# Altium PCB BSPD_mod_0513.PcbDoc (continued)
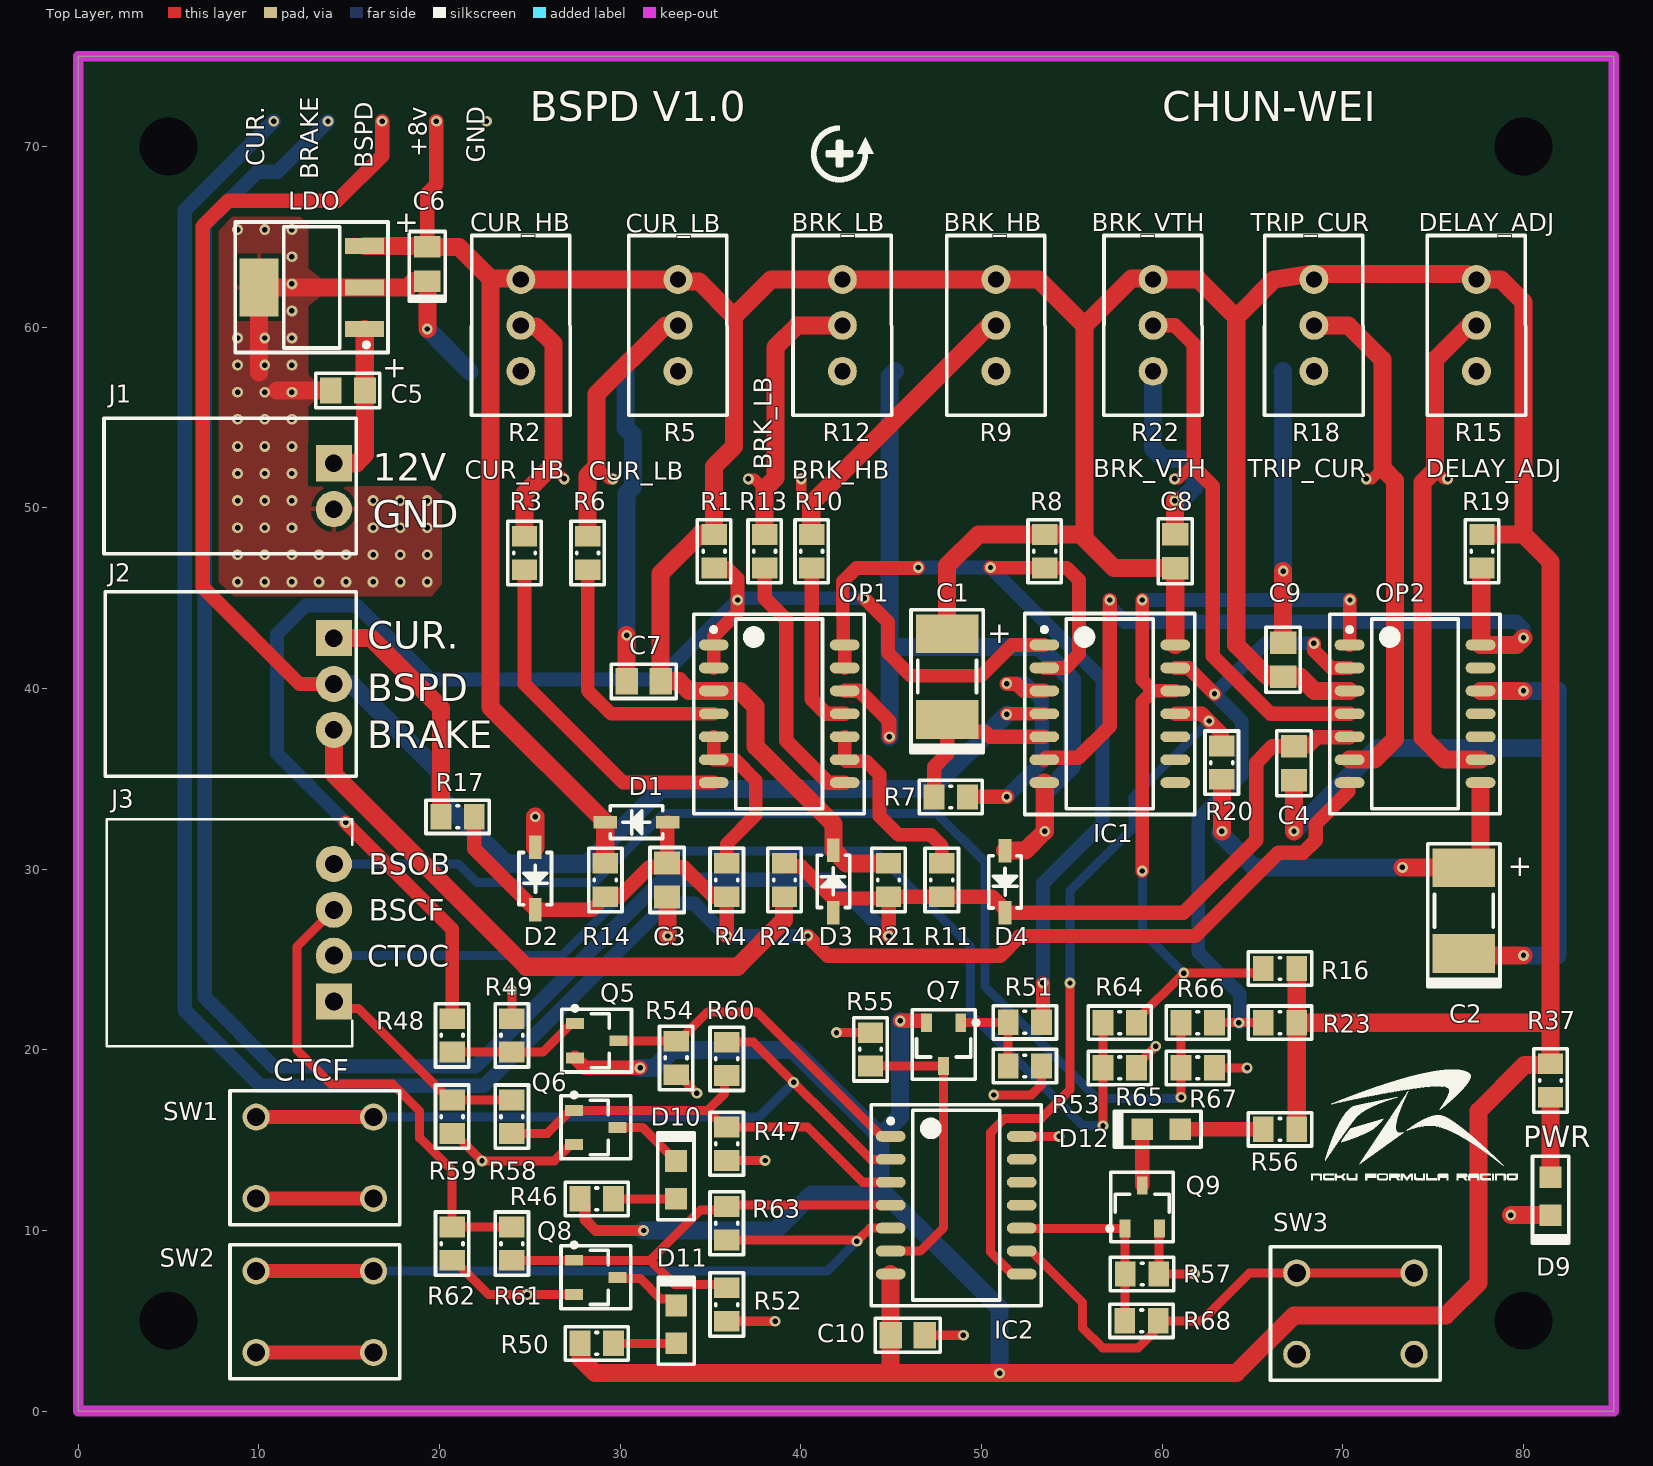
[diagram p0: Top Layer view]
## Part data (continued)
C2: library part 0.1uF-C0603X104K5RAC3316, "Cap Ceramic 0.1uF 50V X7R 10% Pad SMD 0603 Flexible Termination 125C Automotive", Case/Package=Molded, Case Code (Imperial)=2312, Case Code (Metric)=6032, Dielectric Material=Tantalum, ESR (Equivalent Series Resistance)=1R, Leakage Current=3.4uA, Manufacturer=AVX, Manufacturer Part Number=TAJC685K050RNJ, Max Operating Temperature=125°C, Min Operating Temperature=-55°C, Package Quantity=1, Supplier Part Number 1=581-TAJC685K050RNJ, Tolerance=10%, Voltage Rating=50V, Capacitance=6.8uF, ComponentLink1Description=https://datasheet.ciiva.com/267/taj-267945.pdf?src-supplier=Digi-Key, ComponentLink1URL=https://datasheet.ciiva.com/267/taj-267945.pdf?src-supplier=Digi-Key, ComponentLink2Description=https://datasheet.ciiva.com/267/taj-267946.pdf?src-supplier=Digi-Key, ComponentLink2URL=https://datasheet.ciiva.com/267/taj-267946.pdf?src-supplier=Digi-Key, ComponentLink3Description=https://datasheet.ciiva.com/267/taj-267947.pdf?src-supplier=Digi-Key, ComponentLink3URL=https://datasheet.ciiva.com/267/taj-267947.pdf?src-supplier=Digi-Key, ComponentLink4Description=https://datasheet.ciiva.com/12910/taj-27497-12910591.pdf?src-supplier=Mouser, ComponentLink4URL=https://datasheet.ciiva.com/12910/taj-27497-12910591.pdf?src-supplier=Mouser, ComponentLink5Description=https://datasheet.ciiva.com/17338/taj-17338791.pdf?src-supplier=Avnet+Europe, ComponentLink5URL=https://datasheet.ciiva.com/17338/taj-17338791.pdf?src-supplier=Avnet+Europe, ComponentLink6Description=http://datasheet.octopart.com/TAJC685K050RNJ-AVX-datasheet-50868559.pdf?src-supplier=AVX, ComponentLink6URL=http://datasheet.octopart.com/TAJC685K050RNJ-AVX-datasheet-50868559.pdf?src-supplier=AVX, ComponentLink7Description=http://datasheet.octopart.com/TAJC685K050RNJ-AVX-datasheet-5313859.pdf?src-supplier=Element14, ComponentLink7URL=http://datasheet.octopart.com/TAJC685K050RNJ-AVX-datasheet-5313859.pdf?src-supplier=Element14, ComponentLink8Description=http://datasheet.octopart.com/TAJC685K050RNJ-AVX-datasheet-78694144.pdf?src-supplier=Element14, ComponentLink8URL=http://datasheet.octopart.com/TAJC685K050RNJ-AVX-datasheet-78694144.pdf?src-supplier=Element14, ComponentLink9Description=http://datasheet.octopart.com/TAJC685K050RNJ-AVX-Interconnect---Elco-datasheet-8359467.pdf, ComponentLink9URL=http://datasheet.octopart.com/TAJC685K050RNJ-AVX-Interconnect---Elco-datasheet-8359467.pdf, ComponentLink10Description=http://datasheet.octopart.com/TAJC685K050RNJ-AVX-Interconnect---Elco-datasheet-8398506.pdf, ComponentLink10URL=http://datasheet.octopart.com/TAJC685K050RNJ-AVX-Interconnect---Elco-datasheet-8398506.pdf, ComponentLink11Description=http://datasheet.octopart.com/TAJC685K050RNJ-AVX-Interconnect---Elco-datasheet-12511273.pdf, ComponentLink11URL=http://datasheet.octopart.com/TAJC685K050RNJ-AVX-Interconnect---Elco-datasheet-12511273.pdf, ComponentLink12Description=http://datasheet.octopart.com/TAJC685K050RNJ-AVX-Interconnect---Elco-datasheet-5308206.pdf?src-supplier=Factory+Futures, ComponentLink12URL=http://datasheet.octopart.com/TAJC685K050RNJ-AVX-Interconnect---Elco-datasheet-5308206.pdf?src-supplier=Factory+Futures, ComponentLink13Description=http://datasheet.octopart.com/TAJC685K050RNJ-AVX-Interconnect---Elco-datasheet-5393561.pdf?src-supplier=Factory+Futures, ComponentLink13URL=http://datasheet.octopart.com/TAJC685K050RNJ-AVX-Interconnect---Elco-datasheet-5393561.pdf?src-supplier=Factory+Futures, ComponentLink14Description=http://datasheet.octopart.com/TAJC685K050RNJ-AVX-Interconnect---Elco-datasheet-5428838.pdf?src-supplier=Factory+Futures, ComponentLink14URL=http://datasheet.octopart.com/TAJC685K050RNJ-AVX-Interconnect---Elco-datasheet-5428838.pdf?src-supplier=Factory+Futures, ComponentLink15Description=http://datasheet.octopart.com/TAJC685K050RNJ-AVX-Interconnect---Elco-datasheet-8324253.pdf?src-supplier=Factory+Futures, ComponentLink15URL=http://datasheet.octopart.com/TAJC685K050RNJ-AVX-Interconnect---Elco-datasheet-8324253.pdf?src-supplier=Factory+Futures, ComponentLink16Description=http://datasheet.octopart.com/TAJC685K050RNJ-AVX-Interconnect---Elco-datasheet-8447299.pdf?src-supplier=Factory+Futures, ComponentLink16URL=http://datasheet.octopart.com/TAJC685K050RNJ-AVX-Interconnect---Elco-datasheet-8447299.pdf?src-supplier=Factory+Futures, ComponentLink17Description=http://datasheet.octopart.com/TAJC685K050RNJ-AVX-Interconnect---Elco-datasheet-8621976.pdf?src-supplier=Factory+Futures, ComponentLink17URL=http://datasheet.octopart.com/TAJC685K050RNJ-AVX-Interconnect---Elco-datasheet-8621976.pdf?src-supplier=Factory+Futures, ComponentLink18Description=http://datasheet.octopart.com/TAJC685K050RNJ-AVX-Interconnect---Elco-datasheet-8701730.pdf?src-supplier=Factory+Futures, ComponentLink18URL=http://datasheet.octopart.com/TAJC685K050RNJ-AVX-Interconnect---Elco-datasheet-8701730.pdf?src-supplier=Factory+Futures, ComponentLink19Description=http://datasheet.octopart.com/TAJC685K050RNJ-AVX-Interconnect---Elco-datasheet-8715220.pdf?src-supplier=Factory+Futures, ComponentLink19URL=http://datasheet.octopart.com/TAJC685K050RNJ-AVX-Interconnect---Elco-datasheet-8715220.pdf?src-supplier=Factory+Futures, ComponentLink20Description=http://datasheet.octopart.com/TAJC685K050RNJ-AVX-Interconnect---Elco-datasheet-8836325.pdf?src-supplier=Factory+Futures, ComponentLink20URL=http://datasheet.octopart.com/TAJC685K050RNJ-AVX-Interconnect---Elco-datasheet-8836325.pdf?src-supplier=Factory+Futures, ComponentLink21Description=http://datasheet.octopart.com/TAJC685K050RNJ-AVX-Interconnect---Elco-datasheet-8853265.pdf?src-supplier=Factory+Futures, ComponentLink21URL=http://datasheet.octopart.com/TAJC685K050RNJ-AVX-Interconnect---Elco-datasheet-8853265.pdf?src-supplier=Factory+Futures, ComponentLink22Description=http://datasheet.octopart.com/TAJC685K050RNJ-AVX-Interconnect---Elco-datasheet-8858887.pdf?src-supplier=Factory+Futures, ComponentLink22URL=http://datasheet.octopart.com/TAJC685K050RNJ-AVX-Interconnect---Elco-datasheet-8858887.pdf?src-supplier=Factory+Futures, ComponentLink23Description=http://datasheet.octopart.com/TAJC685K050RNJ-AVX-Interconnect---Elco-datasheet-8877386.pdf?src-supplier=Factory+Futures, ComponentLink23URL=http://datasheet.octopart.com/TAJC685K050RNJ-AVX-Interconnect---Elco-datasheet-8877386.pdf?src-supplier=Factory+Futures, ComponentLink24Description=http://datasheet.octopart.com/TAJC685K050RNJ-AVX-Interconnect---Elco-datasheet-10028080.pdf?src-supplier=Factory+Futures, ComponentLink24URL=http://datasheet.octopart.com/TAJC685K050RNJ-AVX-Interconnect---Elco-datasheet-10028080.pdf?src-supplier=Factory+Futures, ComponentLink25Description=http://datasheet.octopart.com/TAJC685K050RNJ-AVX-Interconnect---Elco-datasheet-10193294.pdf?src-supplier=Factory+Futures, ComponentLink25URL=http://datasheet.octopart.com/TAJC685K050RNJ-AVX-Interconnect---Elco-datasheet-10193294.pdf?src-supplier=Factory+Futures, ComponentLink26Description=http://datasheet.octopart.com/TAJC685K050RNJ-AVX-Interconnect---Elco-datasheet-10285639.pdf?src-supplier=Factory+Futures, ComponentLink26URL=http://datasheet.octopart.com/TAJC685K050RNJ-AVX-Interconnect---Elco-datasheet-10285639.pdf?src-supplier=Factory+Futures, ComponentLink27Description=http://datasheet.octopart.com/TAJC685K050RNJ-AVX-Interconnect---Elco-datasheet-10380087.pdf?src-supplier=Factory+Futures, ComponentLink27URL=http://datasheet.octopart.com/TAJC685K050RNJ-AVX-Interconnect---Elco-datasheet-10380087.pdf?src-supplier=Factory+Futures, ComponentLink28Description=http://datasheet.octopart.com/TAJC685K050RNJ-AVX-Interconnect---Elco-datasheet-10403705.pdf?src-supplier=Factory+Futures, ComponentLink28URL=http://datasheet.octopart.com/TAJC685K050RNJ-AVX-Interconnect---Elco-datasheet-10403705.pdf?src-supplier=Factory+Futures, ComponentLink29Description=http://datasheet.octopart.com/TAJC685K050RNJ-AVX-Interconnect---Elco-datasheet-10545425.pdf?src-supplier=Factory+Futures, ComponentLink29URL=http://datasheet.octopart.com/TAJC685K050RNJ-AVX-Interconnect---Elco-datasheet-10545425.pdf?src-supplier=Factory+Futures, ComponentLink30Description=http://datasheet.octopart.com/TAJC685K050RNJ-AVX-Interconnect---Elco-datasheet-10620092.pdf?src-supplier=Factory+Futures, ComponentLink30URL=http://datasheet.octopart.com/TAJC685K050RNJ-AVX-Interconnect---Elco-datasheet-10620092.pdf?src-supplier=Factory+Futures, ComponentLink31Description=http://datasheet.octopart.com/TAJC685K050RNJ-AVX-Interconnect---Elco-datasheet-10839255.pdf?src-supplier=Factory+Futures, ComponentLink31URL=http://datasheet.octopart.com/TAJC685K050RNJ-AVX-Interconnect---Elco-datasheet-10839255.pdf?src-supplier=Factory+Futures, ComponentLink32Description=http://datasheet.octopart.com/TAJC685K050RNJ-AVX-Interconnect---Elco-datasheet-10851837.pdf?src-supplier=Factory+Futures, ComponentLink32URL=http://datasheet.octopart.com/TAJC685K050RNJ-AVX-Interconnect---Elco-datasheet-10851837.pdf?src-supplier=Factory+Futures, ComponentLink33Description=http://datasheet.octopart.com/TAJC685K050RNJ-AVX-Interconnect---Elco-datasheet-10916590.pdf?src-supplier=Factory+Futures, ComponentLink33URL=http://datasheet.octopart.com/TAJC685K050RNJ-AVX-Interconnect---Elco-datasheet-10916590.pdf?src-supplier=Factory+Futures, ComponentLink34Description=http://datasheet.octopart.com/TAJC685K050RNJ-AVX-Interconnect---Elco-datasheet-11475269.pdf?src-supplier=Factory+Futures, ComponentLink34URL=http://datasheet.octopart.com/TAJC685K050RNJ-AVX-Interconnect---Elco-datasheet-11475269.pdf?src-supplier=Factory+Futures, ComponentLink35Description=http://datasheet.octopart.com/TAJC685K050RNJ-AVX-datasheet-48507738.pdf?src-supplier=Future+Electronics, ComponentLink35URL=http://datasheet.octopart.com/TAJC685K050RNJ-AVX-datasheet-48507738.pdf?src-supplier=Future+Electronics, ComponentLink36Description=http://datasheet.octopart.com/TAJC685K050RNJ-AVX-datasheet-66442782.pdf?src-supplier=Newark, ComponentLink36URL=http://datasheet.octopart.com/TAJC685K050RNJ-AVX-datasheet-66442782.pdf?src-supplier=Newark, ComponentLink37Description=http://datasheet.octopart.com/TAJC685K050RNJ-AVX-datasheet-62304617.pdf?src-supplier=Farnell, ComponentLink37URL=http://datasheet.octopart.com/TAJC685K050RNJ-AVX-datasheet-62304617.pdf?src-supplier=Farnell, ComponentLink38Description=http://datasheet.octopart.com/TAJ-Series---Standard-Tantalum-AVX-datasheet-family-88.pdf, ComponentLink38URL=http://datasheet.octopart.com/TAJ-Series---Standard-Tantalum-AVX-datasheet-family-88.pdf, Depth=3.2mm, Dissipation Factor=6%, Features="General Purpose", Height=2.8mm, Height - Seated (Max)=0.11inch, Lead Free="Lead Free", Length=6mm, Mount="Surface Mount", Packaging="Tape and Reel", Polarity=Polar, Pricing 1="1 = 1.27000, 10 = 0.96300, 100 = 0.75300, 500 = 0.49500, 1000 = 0.43600, 2500 = 0.42200 (USD)", Radiation Hardening=No, REACH SVHC="No SVHC", Stock 1=13768, Supplier 1=Mouser, Termination=SMD/SMT, Voltage Rating (DC)=50V, Weight=0.005291oz, Width=0.126inch
C3 C4 C7 C9 C10: library part 0.1uF-C0603X104K5RAC3316, "Cap Ceramic 0.1uF 50V X7R 10% Pad SMD 0603 Flexible Termination 125C Automotive", Manufacturer=KEMET, Manufacturer Part Number=C0603X104K5RAC3316, Supplier Part Number 1=80-C0603X104K5R3316, ComponentLink1Description=http://datasheet.octopart.com/C0603X104K5RAC3316-KEMET-datasheet-136663908.pdf?src-supplier=Allied+Electronics, ComponentLink1URL=http://datasheet.octopart.com/C0603X104K5RAC3316-KEMET-datasheet-136663908.pdf?src-supplier=Allied+Electronics, Pricing 1="1 = 0.19000, 10 = 0.12700, 100 = 0.06400, 500 = 0.04400, 1000 = 0.03800, 4000 = 0.03700 (USD)", Stock 1=9731, Supplier 1=Mouser
C5: library part 0.47uF-C0805C474K3REC7210, "Cap Cer 0805 470NF 25V X7R 10%", Manufacturer=KEMET, Manufacturer Part Number=C0805C474K3REC7210, Supplier Part Number 1=80-C0805C474K3RECLR, ComponentLink1Description=https://api.kemet.com/component-edge/download/datasheet/C0805C474K3REC7210.pdf?src-supplier=Digi-Key, ComponentLink1URL=https://api.kemet.com/component-edge/download/datasheet/C0805C474K3REC7210.pdf?src-supplier=Digi-Key, Pricing 1="1 = 0.30000, 10 = 0.14000, 100 = 0.09000, 500 = 0.08000, 1000 = 0.07000, 2000 = 0.06000 (USD)", Stock 1=9935, Supplier 1=Mouser
C6: library part 22uF-GRM21BR61E226ME44L, "0805 22 uF 25 V ±20% Tolerance X5R SMT Multilayer Ceramic Capacitor", Case/Package=0805, Case Code (Metric)=2012, Dielectric=X5R, Manufacturer=Murata, Manufacturer Part Number=GRM21BR61E226ME44L, Max Operating Temperature=85°C, Min Operating Temperature=-55°C, Package Quantity=3000, Supplier Part Number 1=81-GRM21BR61E226ME4L, Tolerance=20%, Voltage=25V, Capacitance=22uF, Case Code (Imperial)=0805, ComponentLink1Description=https://datasheet.ciiva.com/22787/1747471-22787265.pdf?src-supplier=Farnell, ComponentLink1URL=https://datasheet.ciiva.com/22787/1747471-22787265.pdf?src-supplier=Farnell, ComponentLink2Description=https://datasheet.ciiva.com/7719/1747471-7719095.pdf?src-supplier=Element14, ComponentLink2URL=https://datasheet.ciiva.com/7719/1747471-7719095.pdf?src-supplier=Element14, ComponentLink3Description=https://datasheet.ciiva.com/28584/1747471-28584199.pdf?src-supplier=Element14, ComponentLink3URL=https://datasheet.ciiva.com/28584/1747471-28584199.pdf?src-supplier=Element14, ComponentLink4Description=http://datasheet.octopart.com/GRM21BR61E226ME44L-Murata-datasheet-62317286.pdf?src-supplier=Element14, ComponentLink4URL=http://datasheet.octopart.com/GRM21BR61E226ME44L-Murata-datasheet-62317286.pdf?src-supplier=Element14, ComponentLink5Description=http://datasheet.octopart.com/GRM21BR61E226ME44L-Murata-datasheet-8817987.pdf?src-supplier=Newark, ComponentLink5URL=http://datasheet.octopart.com/GRM21BR61E226ME44L-Murata-datasheet-8817987.pdf?src-supplier=Newark, ComponentLink6Description=http://datasheet.octopart.com/GRM21BR61E226ME44L-Murata-datasheet-14397511.pdf?src-supplier=Future+Electronics, ComponentLink6URL=http://datasheet.octopart.com/GRM21BR61E226ME44L-Murata-datasheet-14397511.pdf?src-supplier=Future+Electronics, ComponentLink7Description=http://datasheet.octopart.com/GRM21BR61E226ME44L-Murata-datasheet-17853151.pdf?src-supplier=Element14, ComponentLink7URL=http://datasheet.octopart.com/GRM21BR61E226ME44L-Murata-datasheet-17853151.pdf?src-supplier=Element14, ComponentLink8Description=http://datasheet.octopart.com/GRM21BR61E226ME44L-Murata-datasheet-22122223.pdf?src-supplier=Future+Electronics, ComponentLink8URL=http://datasheet.octopart.com/GRM21BR61E226ME44L-Murata-datasheet-22122223.pdf?src-supplier=Future+Electronics, ComponentLink9Description=http://datasheet.octopart.com/GRM21BR61E226ME44L-Murata-datasheet-59876780.pdf?src-supplier=TME, ComponentLink9URL=http://datasheet.octopart.com/GRM21BR61E226ME44L-Murata-datasheet-59876780.pdf?src-supplier=TME, ComponentLink10Description=http://datasheet.octopart.com/GRM21BR61E226ME44L-Murata-datasheet-8819587.pdf, ComponentLink10URL=http://datasheet.octopart.com/GRM21BR61E226ME44L-Murata-datasheet-8819587.pdf, ComponentLink11Description=http://datasheet.octopart.com/GRM21BR61E226ME44L-Murata-datasheet-10025737.pdf, ComponentLink11URL=http://datasheet.octopart.com/GRM21BR61E226ME44L-Murata-datasheet-10025737.pdf, ComponentLink12Description=http://datasheet.octopart.com/GRM21BR61E226ME44L-Murata-datasheet-11978611.pdf, ComponentLink12URL=http://datasheet.octopart.com/GRM21BR61E226ME44L-Murata-datasheet-11978611.pdf, ComponentLink13Description=http://datasheet.octopart.com/GRM21BR61E226ME44L-Murata-datasheet-12510076.pdf, ComponentLink13URL=http://datasheet.octopart.com/GRM21BR61E226ME44L-Murata-datasheet-12510076.pdf, ComponentLink14Description=http://datasheet.octopart.com/GRM21BR61E226ME44L-Murata-datasheet-12515295.pdf, ComponentLink14URL=http://datasheet.octopart.com/GRM21BR61E226ME44L-Murata-datasheet-12515295.pdf, Composition=Ceramic, Depth=1.25mm, Height=1.25mm, Lead Free="Lead Free", Length=2mm, Material=Ceramic, Mount="Surface Mount", Packaging="Tape and Reel", Pricing 1="1 = 0.49000, 10 = 0.34800, 100 = 0.22900, 250 = 0.22900, 500 = 0.16900, 1000 = 0.14400, 3000 = 0.11800, 6000 = 0.11000, 9000 = 0.10600 (USD)", REACH SVHC="No SVHC", Stock 1=455135, Supplier 1=Mouser, Termination=SMD/SMT, Thickness=0.057inch, Voltage Rating=25V, Voltage Rating (DC)=25V, Weight=0.000335oz, Width=1.25mm
C8: library part "1206 470pF (471) 10% 50V", "?片?容", Manufacturer=KEMET, Manufacturer Part Number=C0603X104K5RAC3316, Supplier Part Number 1=80-C0603X104K5R3316, ComponentLink1Description=http://datasheet.octopart.com/C0603X104K5RAC3316-KEMET-datasheet-136663908.pdf?src-supplier=Allied+Electronics, ComponentLink1URL=http://datasheet.octopart.com/C0603X104K5RAC3316-KEMET-datasheet-136663908.pdf?src-supplier=Allied+Electronics, Pricing 1="1 = 0.19000, 10 = 0.12700, 100 = 0.06400, 500 = 0.04400, 1000 = 0.03800, 4000 = 0.03700 (USD)", Stock 1=9731, Supplier 1=Mouser
D1 D2 D3 D4: library part 1N4148W-TP, "1N4148W Series 100 V 150 mA 4 ns SMT High Speed Switching Diode - SOD-123", Average Rectified Current=150mA, Capacitance=4pF, Forward Voltage=1V, Manufacturer=MCC, Max Forward Surge Current (Ifsm)=1A, Max Operating Temperature=150°C, Max Repetitive Reverse Voltage (Vrrm)=100V, Max Reverse Leakage Current=5uA, Max Surge Current=2A, Min Operating Temperature=-65°C, Package Quantity=3000, Power Dissipation=400mW, Supplier Part Number 1=1N4148WTPMSCT-ND, ComponentLink1Description=https://datasheet.ciiva.com/1243/1684829-1243908.pdf?src-supplier=Newark, ComponentLink1URL=https://datasheet.ciiva.com/1243/1684829-1243908.pdf?src-supplier=Newark, ComponentLink2Description=https://datasheet.ciiva.com/16836/1n4148wsod123-16836277.pdf?src-supplier=Future+Electronics, ComponentLink2URL=https://datasheet.ciiva.com/16836/1n4148wsod123-16836277.pdf?src-supplier=Future+Electronics, ComponentLink3Description=https://datasheet.ciiva.com/4435/1n4148wsod123-48460-4435223.pdf?src-supplier=Mouser, ComponentLink3URL=https://datasheet.ciiva.com/4435/1n4148wsod123-48460-4435223.pdf?src-supplier=Mouser, ComponentLink4Description=https://datasheet.ciiva.com/14557/70055519-14557767.pdf?src-supplier=Allied+Electronics, ComponentLink4URL=https://datasheet.ciiva.com/14557/70055519-14557767.pdf?src-supplier=Allied+Electronics, ComponentLink5Description=https://datasheet.ciiva.com/911/1n4148wsod123-911676.pdf?src-supplier=Digi-Key, ComponentLink5URL=https://datasheet.ciiva.com/911/1n4148wsod123-911676.pdf?src-supplier=Digi-Key, ComponentLink6Description=https://datasheet.ciiva.com/7622/1684829-7622556.pdf?src-supplier=Element14, ComponentLink6URL=https://datasheet.ciiva.com/7622/1684829-7622556.pdf?src-supplier=Element14, ComponentLink7Description=https://datasheet.ciiva.com/911/1n4148wsod123-911677.pdf?src-supplier=Digi-Key, ComponentLink7URL=https://datasheet.ciiva.com/911/1n4148wsod123-911677.pdf?src-supplier=Digi-Key, ComponentLink8Description=https://datasheet.ciiva.com/911/1n4148wsod123-911678.pdf?src-supplier=Digi-Key, ComponentLink8URL=https://datasheet.ciiva.com/911/1n4148wsod123-911678.pdf?src-supplier=Digi-Key, ComponentLink9Description=https://datasheet.ciiva.com/22747/1684829-22747439.pdf?src-supplier=Element14, ComponentLink9URL=https://datasheet.ciiva.com/22747/1684829-22747439.pdf?src-supplier=Element14, ComponentLink10Description=http://datasheet.octopart.com/1N4148W-TP-Micro-Commercial-datasheet-60845.pdf?src-supplier=Element14, ComponentLink10URL=http://datasheet.octopart.com/1N4148W-TP-Micro-Commercial-datasheet-60845.pdf?src-supplier=Element14, ComponentLink11Description=http://datasheet.octopart.com/1N4148W-TP-MCC-datasheet-8327246.pdf?src-supplier=Future+Electronics, ComponentLink11URL=http://datasheet.octopart.com/1N4148W-TP-MCC-datasheet-8327246.pdf?src-supplier=Future+Electronics, ComponentLink12Description=http://datasheet.octopart.com/1N4148W-TP-MCC-datasheet-124568.pdf?src-supplier=Future+Electronics, ComponentLink12URL=http://datasheet.octopart.com/1N4148W-TP-MCC-datasheet-124568.pdf?src-supplier=Future+Electronics, ComponentLink13Description=http://datasheet.octopart.com/1N4148W-TP-MCC-datasheet-10003094.pdf?src-supplier=Allied+Electronics, ComponentLink13URL=http://datasheet.octopart.com/1N4148W-TP-MCC-datasheet-10003094.pdf?src-supplier=Allied+Electronics, ComponentLink14Description=http://datasheet.octopart.com/1N4148W-TP-Micro-Commercial-datasheet-11773887.pdf?src-supplier=Arrow, ComponentLink14URL=http://datasheet.octopart.com/1N4148W-TP-Micro-Commercial-datasheet-11773887.pdf?src-supplier=Arrow, ComponentLink15Description=http://datasheet.octopart.com/1N4148W-TP-Micro-Commercial-datasheet-13551187.pdf?src-supplier=Future+Electronics, ComponentLink15URL=http://datasheet.octopart.com/1N4148W-TP-Micro-Commercial-datasheet-13551187.pdf?src-supplier=Future+Electronics, ComponentLink16Description=http://datasheet.octopart.com/1N4148W-TP-MCC-datasheet-133511570.pdf?src-supplier=Future+Electronics, ComponentLink16URL=http://datasheet.octopart.com/1N4148W-TP-MCC-datasheet-133511570.pdf?src-supplier=Future+Electronics, ComponentLink17Description=http://datasheet.octopart.com/1N4148W-TP-MCC-datasheet-134792309.pdf?src-supplier=TME, ComponentLink17URL=http://datasheet.octopart.com/1N4148W-TP-MCC-datasheet-134792309.pdf?src-supplier=TME, Current Rating=150mA, Element Configuration=Single, Forward Current=150mA, Height=1.2mm, Lead Free="Lead Free", Length=2.85mm, Manufacturer Part Number=1N4148W-TP, Max Reverse Voltage (DC)=100V, Mount="Surface Mount", Number of Pins=2, Output Current=150mA, Packaging="Tape and Reel", Peak Non-Repetitive Surge Current=2A, Polarity=Standard, Pricing 1="1 = 0.10000, 10 = 0.08100, 100 = 0.03400, 500 = 0.02670, 1000 = 0.01854 (USD)", Radiation Hardening=No, REACH SVHC=Unknown, Recovery Time=4ns, Reverse Recovery Time=4ns, Stock 1=726390, Supplier 1=Digi-Key, Supplier 2=Mouser, Supplier Part Number 2=833-1N4148W-TP, Voltage Rating (DC)=100V, Width=1.8mm
D9 D10 D11 D12: "On a Reel of 4000, 2 V Red LED 2012 (0805) SMD, Wurth Elektronik WL-SMCW 150080RS75000", Case/Package=0805, Case Code (Metric)=2012, Color=Red, Forward Current=30mA, Forward Voltage=2V, Manufacturer="Wurth Elektronik", Manufacturer Part Number=150080RS75000, Max Operating Temperature=85°C, Min Operating Temperature=-40°C, Package Quantity=4000, Supplier Part Number 1=710-150080RS75000, Test Current=20mA, Case Code (Imperial)=0805, ComponentLink1Description=https://datasheet.ciiva.com/22656/150080rs75000-22656961.pdf?src-supplier=Element14, ComponentLink1URL=https://datasheet.ciiva.com/22656/150080rs75000-22656961.pdf?src-supplier=Element14, ComponentLink2Description=https://datasheet.ciiva.com/29279/759435-da-01-en-chipled-0805-w-kl-rot-150080rs75000-29279032.pdf?src-supplier=Conrad, ComponentLink2URL=https://datasheet.ciiva.com/29279/759435-da-01-en-chipled-0805-w-kl-rot-150080rs75000-29279032.pdf?src-supplier=Conrad, ComponentLink3Description=http://datasheet.octopart.com/150080RS75000-W%C3%BCrth-Elektronik-datasheet-15983792.pdf?src-supplier=Element14, ComponentLink3URL=http://datasheet.octopart.com/150080RS75000-W%C3%BCrth-Elektronik-datasheet-15983792.pdf?src-supplier=Element14, ComponentLink4Description=http://datasheet.octopart.com/150080RS75000-W%C3%BCrth-Elektronik-datasheet-41196443.pdf?src-supplier=Newark, ComponentLink4URL=http://datasheet.octopart.com/150080RS75000-W%C3%BCrth-Elektronik-datasheet-41196443.pdf?src-supplier=Newark, Dominant Wavelength=625nm, Height=0.7mm, Length=2mm, Lens Style=Clear, Luminous Intensity=150mcd, Mount="Surface Mount", Packaging="Tape and Reel", Pricing 1="1 = 0.18000, 10 = 0.17500, 25 = 0.17400, 50 = 0.16200, 100 = 0.13900, 250 = 0.12300 (USD)", REACH SVHC=Unknown, Stock 1=24117, Supplier 1=Mouser, Viewing Angle=140°, Wavelength=625nm, Width=1.25mm
IC1: library part CD4081BM, "In a Tube of 50, Texas Instruments CD4081BM, Quad 2-Input AND Logic Gate, 14-Pin SOIC", Case/Package=SOIC, High Level Output Current=-4.2mA, Input Capacitance=5pF, Low Level Output Current=4.2mA, Manufacturer="Texas Instruments", Max Operating Temperature=125°C, Max Supply Voltage=18V, Min Operating Temperature=-55°C, Min Supply Voltage=3V, Output Current=6.8mA, Package Quantity=50, Power Dissipation=500mW, Quiescent Current=5uA, Supplier Part Number 1=595-CD4081BM, ComponentLink1Description=https://datasheet.ciiva.com/1626/cd4081b-1626210.pdf?src-supplier=Newark, ComponentLink1URL=https://datasheet.ciiva.com/1626/cd4081b-1626210.pdf?src-supplier=Newark, ComponentLink2Description=https://datasheet.ciiva.com/15090/getdatasheetpartid-83085-15090610.pdf?src-supplier=Verical, ComponentLink2URL=https://datasheet.ciiva.com/15090/getdatasheetpartid-83085-15090610.pdf?src-supplier=Verical, ComponentLink3Description=https://datasheet.ciiva.com/26865/cd4081bm-26865364.pdf?src-supplier=IIIC, ComponentLink3URL=https://datasheet.ciiva.com/26865/cd4081bm-26865364.pdf?src-supplier=IIIC, ComponentLink4Description=https://datasheet.ciiva.com/41455/001015529-da-01-en-ic-2-in-and-gate-qu-cd4081bm-soic-14-tid-41455446.pdf?src-supplier=Conrad, ComponentLink4URL=https://datasheet.ciiva.com/41455/001015529-da-01-en-ic-2-in-and-gate-qu-cd4081bm-soic-14-tid-41455446.pdf?src-supplier=Conrad, ComponentLink5Description=https://datasheet.ciiva.com/1866/cd4073b-1866564.pdf?src-supplier=Digi-Key, ComponentLink5URL=https://datasheet.ciiva.com/1866/cd4073b-1866564.pdf?src-supplier=Digi-Key, ComponentLink6Description=https://datasheet.ciiva.com/7949/1833366-7949020.pdf?src-supplier=Element14, ComponentLink6URL=https://datasheet.ciiva.com/7949/1833366-7949020.pdf?src-supplier=Element14, ComponentLink7Description=https://octopart.com/click/track?ai=8629&ct=datasheets&sig=02680e7&at=physicalpart&sid=370&ppid=42573&hlid=24875867&src-supplier=TI+store, ComponentLink7URL=https://octopart.com/click/track?ai=8629&ct=datasheets&sig=02680e7&at=physicalpart&sid=370&ppid=42573&hlid=24875867&src-supplier=TI+store, ComponentLink8Description=http://datasheet.octopart.com/CD4081BM-Texas-Instruments-datasheet-151253.pdf?src-supplier=TI+store, ComponentLink8URL=http://datasheet.octopart.com/CD4081BM-Texas-Instruments-datasheet-151253.pdf?src-supplier=TI+store, ComponentLink9Description=http://datasheet.octopart.com/CD4081BM-Texas-Instruments-datasheet-10253518.pdf?src-supplier=TI+store, ComponentLink9URL=http://datasheet.octopart.com/CD4081BM-Texas-Instruments-datasheet-10253518.pdf?src-supplier=TI+store, ComponentLink10Description=http://datasheet.octopart.com/CD4081BM-Texas-Instruments-datasheet-10253444.pdf?src-supplier=TI+store, ComponentLink10URL=http://datasheet.octopart.com/CD4081BM-Texas-Instruments-datasheet-10253444.pdf?src-supplier=TI+store, ComponentLink11Description=http://datasheet.octopart.com/CD4081BM-Texas-Instruments-datasheet-10794629.pdf?src-supplier=TI+store, ComponentLink11URL=http://datasheet.octopart.com/CD4081BM-Texas-Instruments-datasheet-10794629.pdf?src-supplier=TI+store, ComponentLink12Description=http://sigma.octopart.com/49249646/technical_drawing/Texas-Instruments-CD4081BM.pdf?src-supplier=TI+store, ComponentLink12URL=http://sigma.octopart.com/49249646/technical_drawing/Texas-Instruments-CD4081BM.pdf?src-supplier=TI+store, ComponentLink13Description=http://datasheet.octopart.com/CD4081BM-Texas-Instruments-datasheet-47642733.pdf?src-supplier=Farnell, ComponentLink13URL=http://datasheet.octopart.com/CD4081BM-Texas-Instruments-datasheet-47642733.pdf?src-supplier=Farnell, ComponentLink14Description=http://datasheet.octopart.com/CD4081BM-Texas-Instruments-datasheet-5313817.pdf?src-supplier=Newark, ComponentLink14URL=http://datasheet.octopart.com/CD4081BM-Texas-Instruments-datasheet-5313817.pdf?src-supplier=Newark, ComponentLink15Description=http://datasheet.octopart.com/CD4081BM-Texas-Instruments-datasheet-8372246.pdf?src-supplier=Newark, ComponentLink15URL=http://datasheet.octopart.com/CD4081BM-Texas-Instruments-datasheet-8372246.pdf?src-supplier=Newark, ComponentLink16Description=http://datasheet.octopart.com/CD4081BM-Texas-Instruments-datasheet-32637.pdf?src-supplier=Newark, ComponentLink16URL=http://datasheet.octopart.com/CD4081BM-Texas-Instruments-datasheet-32637.pdf?src-supplier=Newark, ComponentLink17Description=http://datasheet.octopart.com/CD4081BM-Texas-Instruments-datasheet-5254.pdf?src-supplier=Allied+Electronics, ComponentLink17URL=http://datasheet.octopart.com/CD4081BM-Texas-Instruments-datasheet-5254.pdf?src-supplier=Allied+Electronics, ComponentLink18Description=http://datasheet.octopart.com/CD4081BM-Texas-Instruments-datasheet-111545.pdf?src-supplier=Sierra+IC, ComponentLink18URL=http://datasheet.octopart.com/CD4081BM-Texas-Instruments-datasheet-111545.pdf?src-supplier=Sierra+IC, ComponentLink19Description=http://datasheet.octopart.com/CD4081BM-Texas-Instruments-datasheet-7596796.pdf?src-supplier=Jameco, ComponentLink19URL=http://datasheet.octopart.com/CD4081BM-Texas-Instruments-datasheet-7596796.pdf?src-supplier=Jameco, ComponentLink20Description=http://datasheet.octopart.com/CD4081BM-Texas-Instruments-datasheet-7626019.pdf?src-supplier=Farnell, ComponentLink20URL=http://datasheet.octopart.com/CD4081BM-Texas-Instruments-datasheet-7626019.pdf?src-supplier=Farnell, ComponentLink21Description=http://datasheet.octopart.com/CD4081BM-Texas-Instruments-datasheet-7628878.pdf?src-supplier=Farnell, ComponentLink21URL=http://datasheet.octopart.com/CD4081BM-Texas-Instruments-datasheet-7628878.pdf?src-supplier=Farnell, ComponentLink22Description=http://datasheet.octopart.com/CD4081BM-Texas-Instruments-datasheet-7547189.pdf?src-supplier=Farnell, ComponentLink22URL=http://datasheet.octopart.com/CD4081BM-Texas-Instruments-datasheet-7547189.pdf?src-supplier=Farnell, ComponentLink23Description=http://datasheet.octopart.com/CD4081BM-Texas-Instruments-datasheet-5327680.pdf?src-supplier=Farnell, ComponentLink23URL=http://datasheet.octopart.com/CD4081BM-Texas-Instruments-datasheet-5327680.pdf?src-supplier=Farnell, ComponentLink24Description=http://datasheet.octopart.com/CD4081BM-Texas-Instruments-datasheet-8703573.pdf?src-supplier=Farnell, ComponentLink24URL=http://datasheet.octopart.com/CD4081BM-Texas-Instruments-datasheet-8703573.pdf?src-supplier=Farnell, ComponentLink25Description=http://datasheet.octopart.com/CD4081BM-Texas-Instruments-datasheet-604431.pdf?src-supplier=Farnell, ComponentLink25URL=http://datasheet.octopart.com/CD4081BM-Texas-Instruments-datasheet-604431.pdf?src-supplier=Farnell, ComponentLink26Description=http://datasheet.octopart.com/CD4081BM-Texas-Instruments-datasheet-14147925.pdf?src-supplier=IIIC, ComponentLink26URL=http://datasheet.octopart.com/CD4081BM-Texas-Instruments-datasheet-14147925.pdf?src-supplier=IIIC, ComponentLink27Description=http://datasheet.octopart.com/CD4081BM-Texas-Instruments-datasheet-10549843.pdf?src-supplier=Factory+Futures, ComponentLink27URL=http://datasheet.octopart.com/CD4081BM-Texas-Instruments-datasheet-10549843.pdf?src-supplier=Factory+Futures, ComponentLink28Description=http://datasheet.octopart.com/CD4081BM-Texas-Instruments-datasheet-27379352.pdf?src-supplier=Newark, ComponentLink28URL=http://datasheet.octopart.com/CD4081BM-Texas-Instruments-datasheet-27379352.pdf?src-supplier=Newark, Contact Plating=Gold, Height=1.58mm, Lead Free="Lead Free", Length=8.65mm, Logic Function=AND, Manufacturer Part Number=CD4081BM, Mount="Surface Mount", Number of Bits=4, Number of Circuits=4, Number of Elements=4, Number of Gates=4, Number of Input Lines=2, Number of Inputs=2, Number of Output Lines=1, Number of Outputs=1, Number of Pins=14, Packaging=Rail/Tube, Pricing 1="1 = 0.52000, 10 = 0.43300, 100 = 0.26300, 1000 = 0.20300, 2500 = 0.17300, 10000 = 0.16100 (USD)", Propagation Delay=90ns, Radiation Hardening=No, REACH SVHC="No SVHC", Schmitt Trigger Input=No, Stock 1=2050, Supplier 1=Mouser, Turn-On Delay Time=12ns, Weight=0.004564oz, Width=3.91mm